# Altium PCB NASCO Alarm Interface.PcbDoc
Units mil, origin at the board's own origin, x right, y up, seen from the top; angles counter-clockwise.
Board outline 3947.04 x 2614.01 mil, 2 copper layers (Top Layer, Bottom Layer); 119 components, 99 nets, 419 pads, 122 vias.
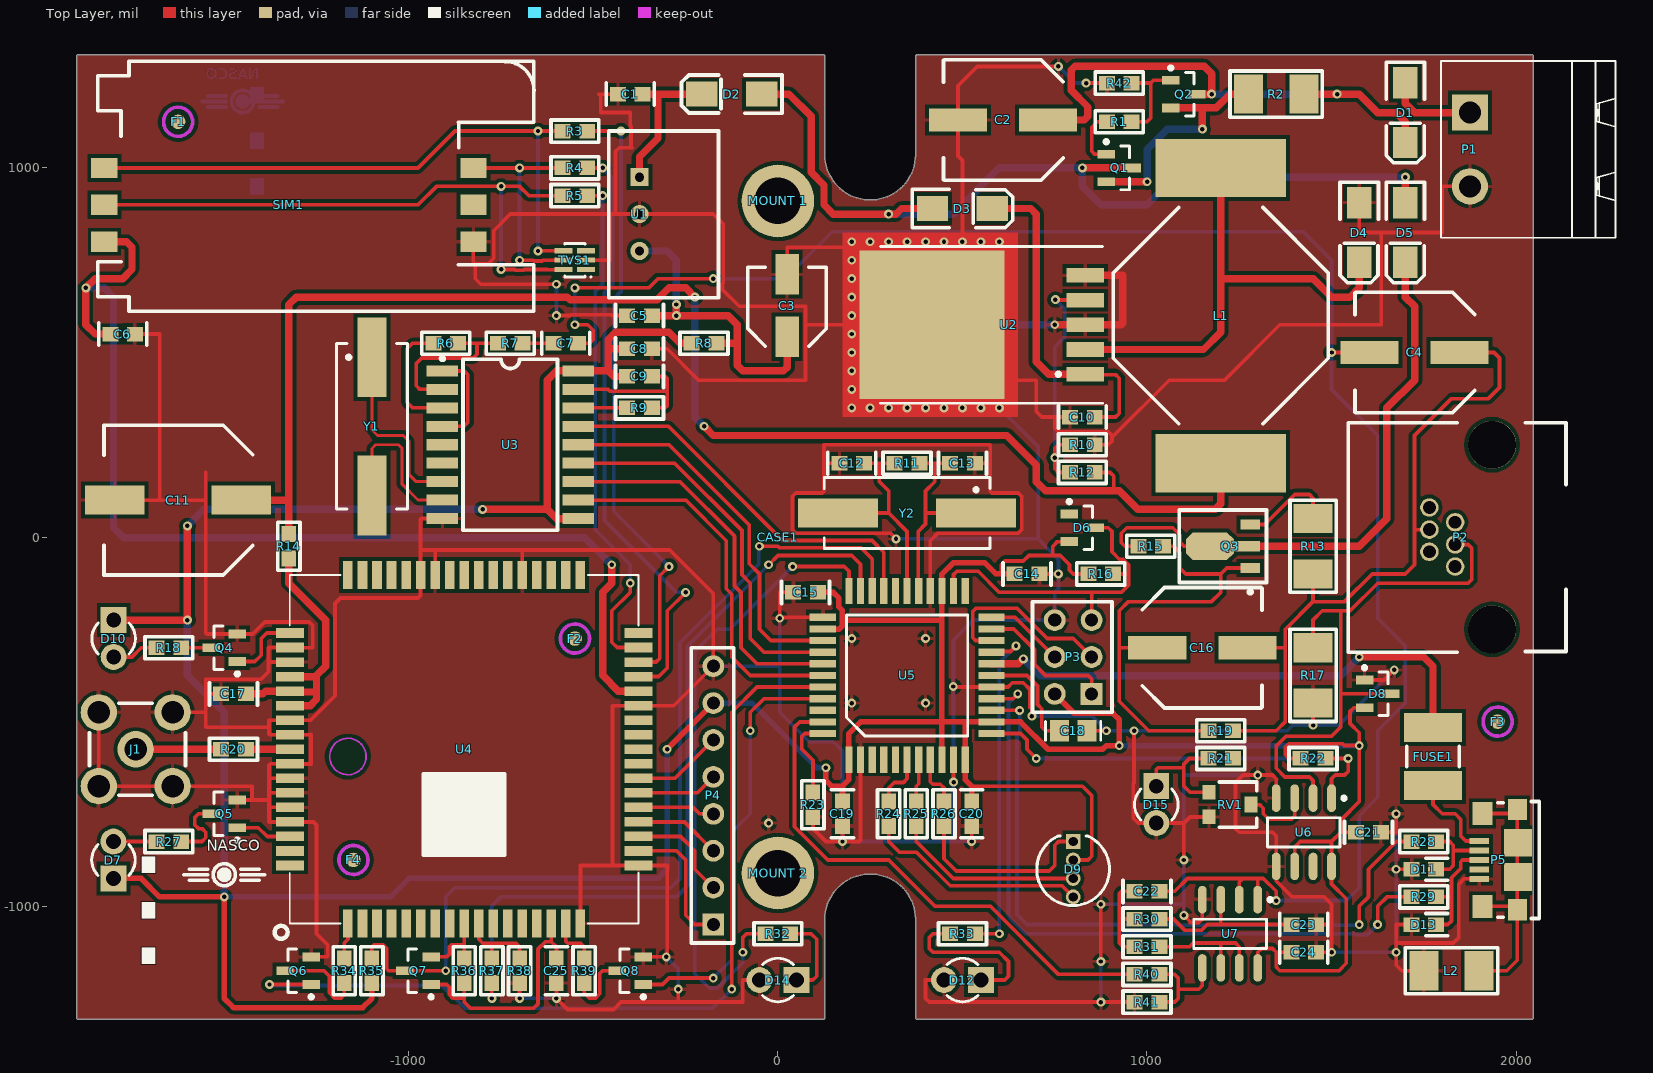
[diagram p0: Top Layer view]
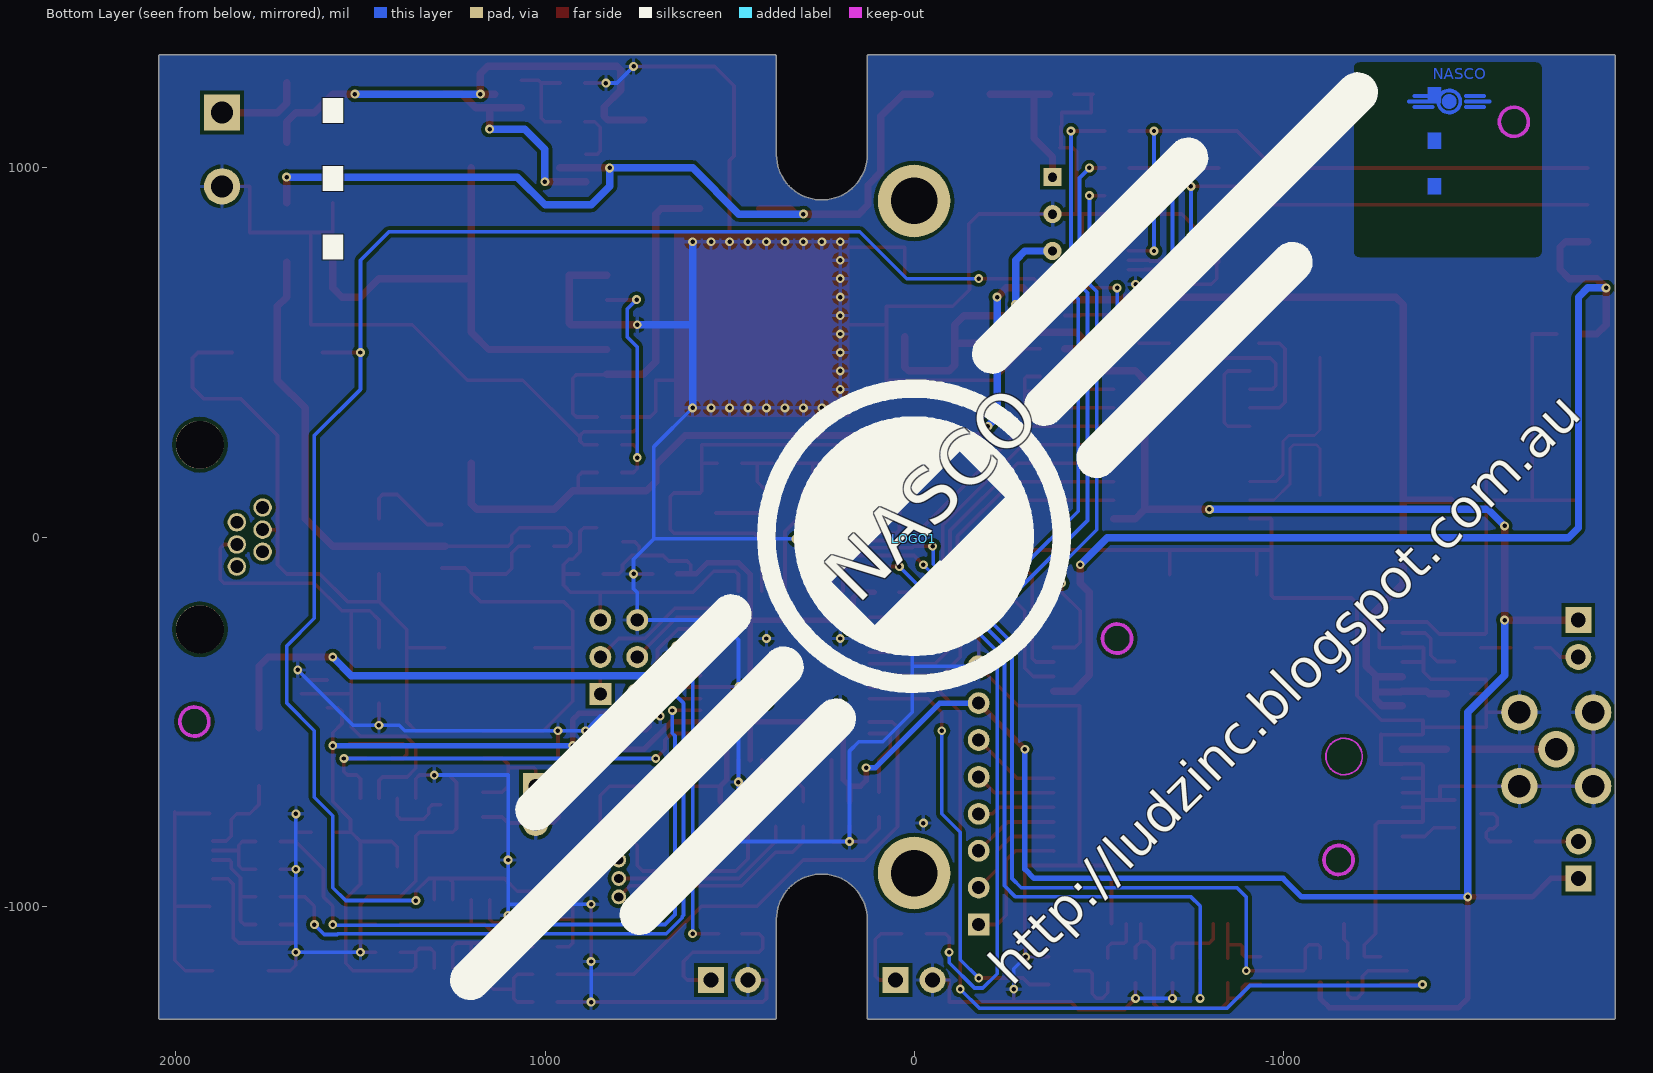
[diagram p1: Bottom Layer view, seen from below]

## Layer stack, top to bottom
Top Layer: signal copper 1.4
Dielectric: dielectric 12.6, FR-4, Dk 4.8
Bottom Layer: signal copper 1.4

## Board outline
-1895.01,-1307 122.12,-1307 ccw(c122.12,-1301.99) 127.13,-1301.99 127.13,-1040 ccw(c122.12,-1040) 126.76,-1038.1 ccw(c122.12,-1036.19) 127.13,-1036.19 cw(c250.07,-1036.19) 373.01,-1036.19 ccw(c378.02,-1036.19) 373.01,-1036.22 373.01,-1301.99 ccw(c378.02,-1301.99) 378.02,-1307 2042,-1307 ccw(c2042,-1301.99) 2047.02,-1301.99 2047.02,1301.99 ccw(c2042,1301.99) 2042,1307 378.02,1307 ccw(c378.02,1301.99) 374.48,1305.53 cw(c378.02,1301.99) 378.02,1307 374.48,1305.53 ccw(c378.02,1301.99) 373.01,1301.99 cw(c378.02,1301.99) 374.48,1305.53 373.01,1301.99 373.01,1036.19 cw(c250.07,1036.19) 127.13,1036.19 127.13,1301.99 ccw(c122.12,1301.99) 122.12,1307 -1895.01,1307 ccw(c-1895.01,1301.99) -1900.02,1301.99 -1900.02,-1301.99 ccw(c-1895.01,-1301.99)

## Design rules (kind name [scope] priority, off if disabled: settings)
Clearance [All] p1: gap=10
PolygonConnect [All] p1: connectstyle=Relief reliefconductorwidth=10 reliefentries=4 polygonreliefangle="90 Angle" airgapwidth=10
RoutingVias [All] p1: holewidth=12 width=24 viastyle="Through Hole" minholewidth=12 minwidth=24 maxholewidth=28 maxwidth=50
SilkToSolderMaskClearance SilkscreenOverComponentPads [IsPad] p1: minsilkscreentomaskgap=10 clearancetoexposedcopper=TRUE
SolderMaskExpansion [All] p1: expansion=4
Width [All] p1: maxlimit=250 minlimit=6 preferedwidth=8
27 further rules are at their usual default settings.

## Classes and differential pairs
component class "U_Mechanical Info": CASE1 F1 F2 F3 F4 "MOUNT 1" "MOUNT 2"
component class "U_Telephone Line Emulator": C4 C7 C8 C9 C16 C21 C22 C23 C24 D8 D15 P2 Q3 R6 R7 R9 R13 R15 R17 R19 R21 R22 R30 R31 R40 R41 RV1 U3 U6 U7 Y1
component class U_SIM900: C6 C17 C25 D7 D10 J1 P4 Q4 Q5 Q6 Q7 Q8 R3 R4 R5 R18 R20 R27 R34 R35 R36 R37 R38 R39 SIM1 TVS1 U4
component class "U_Power Supply": C1 C2 C3 C5 C10 C11 D1 D2 D3 D4 D5 L1 P1 Q1 Q2 R1 R2 R8 R10 R12 R14 R42 U1 U2
component class U_ATMEGA32U4-AU: C12 C13 C14 C15 C18 C19 C20 D6 D9 D11 D12 D13 D14 FUSE1 L2 P3 P5 R11 R16 R23 R24 R25 R26 R28 R29 R32 R33 U5 Y2

## Components (designator, comment, footprint, x,y, rotation, side; value= is the part's Value field where it differs from the comment)
C1 "100nF" "CAP (3D) - 0603" -400,1200 r0 top
C2 "100uF" "CAP ELECTRO SIZE-E" 610,1130 r0 top
C3 "10uF" "CAP ELECTRO SIZE-C" 25,625 r270 top
C4 "100uF" "CAP ELECTRO SIZE-E" 1725,500 r0 top
C5 "100nF" "CAP (3D) - 0603" -375,600 r0 top
C6 "100nF" "CAP (3D) - 0603" -1775,550 r180 top
C7 "100nF" "CAP (3D) - 0603" -575,525 r180 top
C8 "100nF" "CAP (3D) - 0603" -375,510 r180 top
C9 "100nF" "CAP (3D) - 0603" -375,435 r180 top
C10 "100nF" "CAP (3D) - 0603" 825,325 r0 top
C11 "1000uF" "CAP ELECTRO SIZE-G" -1625,100 r0 top
C12 "22pF" "CAP (3D) - 0603" 200,200 r0 top
C13 "22pF" "CAP (3D) - 0603" 500,200 r180 top
C14 "100nF" "CAP (3D) - 0603" 675,-100 r180 top
C15 "100nF" "CAP (3D) - 0603" 75,-150 r0 top
C16 "100uF" "CAP ELECTRO SIZE-E" 1150,-300 r180 top
C17 "100nF" "CAP (3D) - 0603" -1475,-425 r0 top
C18 "1uF" "CAP (3D) - 0805" 800,-525 r0 top
C19 "100nF" "CAP (3D) - 0603" 175,-750 r90 top
C20 "100nF" "CAP (3D) - 0603" 525,-750 r90 top
C21 "100nF" "CAP (3D) - 0603" 1600,-800 r180 top
C22 "10nF" "CAP (3D) - 0603" 1000,-960 r180 top
C23 "10nF" "CAP (3D) - 0603" 1425,-1050 r180 top
C24 "100nF" "CAP (3D) - 0603" 1425,-1125 r180 top
C25 "100nF" "CAP (3D) - 0603" -600,-1175 r90 top
CASE1 "HAMMOND 1593" "HAMMOND 1593 CASE" 0,0 r0 top
D1 "S1M" DO-214AC 1700,1150 r270 top
D2 "S1M" DO-214AC -125,1200 r180 top
D3 "S1M" DO-214AC 500,890 r0 top
D4 "10V 3A" DO-214AC 1575,825 r270 top
D5 "S1M" DO-214AC 1700,825 r270 top
D6 "BAV99" SOT23-3L 825,25 r0 top
D7 "LED (RED)" "LED 3MM" -1800,-875 r270 top
D8 "BAV99" SOT23-3L 1625,-425 r0 top
D9 "RGB 5mm" "LED(3D) 5MM VERTICAL (RGB) - COMMON ANODE" 800,-900 r90 top
D10 "LED (GREEN)" "LED 3MM" -1800,-275 r90 top
D11 "TVS" "TVS (3D) - 0603" 1750,-900 r180 top
D12 "LED (RED)" "LED 3MM" 500,-1200 r0 top
D13 "TVS" "TVS (3D) - 0603" 1750,-1050 r180 top
D14 "LED (GREEN)" "LED 3MM" 0,-1200 r0 top
D15 "LED (RED)" "LED 3MM" 1025,-725 r90 top
F1 "Fiducial" FIDUCIAL -1625,1125 r0 top
F2 "Fiducial" FIDUCIAL -550,-275 r0 top
F3 "Fiducial" FIDUCIAL 1950,-500 r0 top
F4 "Fiducial" FIDUCIAL -1150,-875 r0 top
FUSE1 "500mA" "MINISMD POLYSWITCH" 1775,-595 r90 top
J1 "TE CONNECTIVITY SMA-JR-P2-S" SMA-JR-P2-S -1740,-575 r180 top
L1 "Inductor" SDR2207-101KL 1200,600 r90 top
L2 "BEAD" "RES (3D) - 1210" 1825,-1175 r180 top
LOGO1 "NASCO" NASCO_LOGO 0,-5 r135 bottom
"MOUNT 1" "M3" "MOUNTING - M3" 0,910.43 r90 top
"MOUNT 2" "M3" "MOUNTING - M3" 0,-910.43 r90 top
P1 "Power" "5.08MM HEADER 2 WAY RA- WITH SOCKET" 1875,1150 r270 top
P2 "PHONE" "MOLEXZ RJ11" 1800,0 r270 top
P3 "Header 6" "HDR2X3 (3D)" 800,-325 r90 top
P4 "Header 8" "HDR1X8 (3D)" -175,-1050 r90 top
P5 "MICRO USB" "MICRO USB" 1900,-875 r90 top
Q1 "PMV48XP" SOT23-3L 925,1000 r0 top
Q2 "BC807" SOT23-3L 1100,1200 r0 top
Q3 "BCX56" SOT89 1225,-25 r90 top
Q4 "MMUN2211LT1" SOT23-3L -1500,-300 r180 top
Q5 "MMUN2211LT1" SOT23-3L -1500,-750 r180 top
Q6 "MMUN2211LT1" SOT23-3L -1300,-1175 r180 top
Q7 "BSS138BK,215" SOT23-3L -975,-1175 r180 top
Q8 "MMUN2211LT1" SOT23-3L -400,-1175 r180 top
R1 "10k" "RES (3D) - 0603" 925,1125 r0 top
R2 "1.R3 500mW" "RES (3D) - 1210" 1350,1200 r180 top
R3 "22R" "RES (3D) - 0603" -550,1100 r0 top
R4 "22R" "RES (3D) - 0603" -550,1000 r0 top
R5 "22R" "RES (3D) - 0603" -550,925 r0 top
R6 "100k" "RES (3D) - 0603" -900,525 r0 top
R7 "100k" "RES (3D) - 0603" -725,525 r0 top
R8 "0R" "RES (3D) - 0603" -200,525 r0 top
R9 "300k" "RES (3D) - 0603" -375,350 r180 top
R10 "3k3" "RES (3D) - 0603" 825,250 r0 top
R11 "1MEG" "RES (3D) - 0603" 350,200 r0 top
R12 "10k" "RES (3D) - 0603" 825,175 r180 top
R13 "15R 1/2 WATT" "RES (3D) - 1210" 1450,-25 r90 top
R14 "0R" "RES (3D) - 0603" -1325,-25 r90 top
R15 "10k" "RES (3D) - 0603" 1010,-25 r0 top
R16 "10k" "RES (3D) - 0603" 875,-100 r0 top
R17 "10R 1/2 WATT" "RES (3D) - 1210" 1450,-375 r90 top
R18 "470R" "RES (3D) - 0603" -1650,-300 r0 top
R19 "10k" "RES (3D) - 0603" 1200,-525 r0 top
R20 "0R" "RES (3D) - 0603" -1475,-575 r0 top
R21 "1k" "RES (3D) - 0603" 1200,-600 r180 top
R22 "10k" "RES (3D) - 0603" 1450,-600 r0 top
R23 "10k" "RES (3D) - 0603" 95,-725 r270 top
R24 "1k" "RES (3D) - 0603" 300,-750 r90 top
R25 "22k" "RES (3D) - 0603" 375,-750 r90 top
R26 "1k" "RES (3D) - 0603" 450,-750 r90 top
R27 "470R" "RES (3D) - 0603" -1650,-825 r0 top
R28 "22R" "RES (3D) - 0603" 1750,-825 r0 top
R29 "22R" "RES (3D) - 0603" 1750,-975 r0 top
R30 "11k" "RES (3D) - 0603" 1000,-1035 r180 top
R31 "11k" "RES (3D) - 0603" 1000,-1110 r0 top
R32 "470R" "RES (3D) - 0603" 0,-1075 r180 top
R33 "470R" "RES (3D) - 0603" 500,-1075 r0 top
R34 "1k" "RES (3D) - 0603" -1175,-1175 r270 top
R35 "10k" "RES (3D) - 0603" -1100,-1175 r90 top
R36 "10k" "RES (3D) - 0603" -850,-1175 r90 top
R37 "22k" "RES (3D) - 0603" -775,-1175 r270 top
R38 "33k" "RES (3D) - 0603" -700,-1175 r90 top
R39 "1k" "RES (3D) - 0603" -525,-1175 r270 top
R40 "10k" "RES (3D) - 0603" 1000,-1185 r180 top
R41 "10k" "RES (3D) - 0603" 1000,-1260 r180 top
R42 "10k" "RES (3D) - 0603" 925,1230 r180 top
RV1 "10k" "TRIMPOT - PVZ3A" 1225,-725 r0 top
SIM1 "FCI 7111S2015X02LF" "SIM CARD" -1325,900 r180 top
TVS1 "SMF05C" SOT-363 -550,750 r90 top
U1 "R-78E5.0-0.5" R-78E5.0-0.5 -425,725 r270 top
U2 "LM2576D2T-ADJ" D2-PAK 625,575 r90 top
U3 "MT8870DS" SOIC-18 -725,250 r270 top
U4 "SIM900" SIM900 -850,-575 r0 top
U5 "ATMEGA32U4-AU" TQFP44 350,-375 r90 top
U6 "LM393AN" SO-8 1425,-800 r270 top
U7 "LMV932MA" SO-8 1225,-1075 r270 top
Y1 "3.5795 MHz" HC49/4H_SMX -1100,300 r270 top
Y2 "16MHz" HC49/4H_SMX 350,65 r180 top

## Footprints (in the part's own frame and the unit in brackets; to place one, negate y for a bottom-side part, rotate by r counter-clockwise, add the part's x,y. Pads: shape width x height; smd on the part's side, far side on the other; paste and mask are expansions set on the pad)
"5.08MM HEADER 2 WAY RA- WITH SOCKET" [mm] "PHOENIX CONTACT 1757019 & 1759017"
  rect 2.5x2.5 hole 1.5: 1(0,0)
  round 2.5 hole 1.5: 2(5.08,0)
  silkscreen extent -3.54,-1.98 8.62,10.02, body extent -2.54,-2.01 7.67,19.18, height 15.02
"CAP (3D) - 0603" [mm]
  rect 1.1x1 smd: 1(0.85,0) 2(-0.85,0)
  silkscreen extent -1.65,-0.76 1.65,0.76, body extent -1,-0.39 1,0.39, height 0.79
"CAP (3D) - 0805" [mm]
  rect 1.3x1.5 smd: 1(-0.95,0) 2(0.95,0)
  silkscreen extent -1.9,-0.65 1.9,0.65, body extent -1.25,-0.62 1.25,0.62, height 0.79
"CAP ELECTRO SIZE-C" [mm]
  rect 2.8x1.6 smd: 1(2.1,0) 2(-2.2,0)
  silkscreen extent -2.7,-2.7 2.75,2.7, body extent -2.95,-2.65 2.95,2.65, height 5.41
"CAP ELECTRO SIZE-E" [mm]
  rect 4x1.6 smd: 1(3.1,0) 2(-3.1,0)
  silkscreen extent -4.1,-4.15 4.14,4.15, body extent -4.5,-4.15 4.5,4.15, height 6.2
"CAP ELECTRO SIZE-G" [mm]
  rect 4.1x2 smd: 1(4.35,0) 2(-4.35,0)
  silkscreen extent -5.1,-5.15 5.14,5.15, body extent -5.8,-5.15 5.8,5.15, height 10.2
D2-PAK [mm] "D2-PAK; 5 Leads; Body 14.7 (inc. leads) x 10.2 mm (LxW max)"
  rect 1x2.6 smd: 1(-3.4,-5.275) 2(-1.7,-5.275) 3(0,-5.275) 4(1.7,-5.275) 5(3.4,-5.275)
  rect 10.2x10 smd: 6(0,5.275)
  Top Layer region: -6.349,-0.635 6.351,-0.635 6.351,11.43 -6.349,11.43
  silkscreen extent -5.4,-6.48 5.4,8.82, body extent -5,-5.99 5,9.68, height 4.81
DO-214AC [mil]
  rect 85x67 smd: 1(-81,0) 2(81,0)
  silkscreen extent -136,-52 136,52, body extent -79,-39 79,39, height 61
FIDUCIAL [mm]
  round 1 smd mask+1: 0(0,0)
  Keep-Out Layer circle w0.254: c0,0 r1
"HAMMOND 1593 CASE" [mil] "HAMMOND 1593 CASE"
  body extent -2181,-1475 2199,1478, height 690
HC49/4H_SMX [mm] "Quartz Crystal, SM; Body 13.4 (inc. leads) x 4.9 mm (LxW max)"
  rect 5.5x2 smd: 1(-4.75,0) 2(4.75,0)
  silkscreen extent -5.7,-2.45 5.7,2.45, body extent -6.36,-2.35 6.34,2.35, height 4.2
"HDR1X8 (3D)" [mm] "Connector; Header; 8 Position"
  rect 1.5x1.5 hole 0.9: 1(0,0)
  round 1.5 hole 0.9: 2(2.54,0) 3(5.08,0) 4(7.62,0) 5(10.16,0) 6(12.7,0) 7(15.24,0) 8(17.78,0)
  silkscreen extent -1.27,-1.4 19.05,1.52, body extent -1.27,-1.4 19.05,1.52, height 8.53
"HDR2X3 (3D)" [mm]
  rect 1.5x1.5 hole 0.9: 1(-2.54,-1.27)
  round 1.5 hole 0.9: 2(-2.54,1.27) 3(0,-1.27) 4(0,1.27) 5(2.54,-1.27) 6(2.54,1.27)
  silkscreen extent -3.81,-2.67 3.81,2.79, body extent -3.81,-2.67 3.81,2.79, height 8.53
"LED 3MM" [mil]
  rect 70x70 hole 40: 1(50.06,-0.28)
  round 70 hole 40: 2(-49.94,-0.28)
  silkscreen extent -42,-59 42,59
"LED(3D) 5MM VERTICAL (RGB) - COMMON ANODE" [mil]
  rect 40x40 hole 25: 1(75,0)
  round 40 hole 25: 2(25,0) 3(-25,0) 4(-75,0)
  silkscreen extent -98,-98 90,99, body extent -99,-98 98,98, height 413
"MICRO USB" [mm] "TE CONNECTIVITY 1981568-1"
  rect 1.45x1.3 smd: 0(-3.425,-2.625) 0(3.475,-2.625)
  rect 1.6x1.4 smd: 0(-3.2,-0.225) 0(3.2,-0.225)
  rect 1.9x1.9 smd: 0(-1.175,-2.675) 0(1.175,-2.675)
  rect 0.4x1.35 smd: 1(1.3,0) 2(0.65,0) 3(0,0) 4(-0.65,0) 5(-1.3,0)
  silkscreen extent -4.03,-4.13 4.03,-1.27, body extent -3.97,-5.3 4.03,0.3, height 2.83
"MINISMD POLYSWITCH" [mm] "RAYCHEM - MINISMDC050F-2"
  rect 2x4 smd: 1(-2,0) 2(2,0)
  silkscreen extent -0.7,-1.8 0.7,1.8, body extent -2.41,-1.61 2.41,1.61, height 1.32
"MOLEXZ RJ11" [mil] "438600020 (MOLEX RJ11)"
  round 130 hole 130 unplated: 0(-250,135) 0(250,135)
  round 50 hole 35: 1(-80,-35) 2(-40,35) 3(-20,-35) 4(20,35) 5(40,-35) 6(80,35)
  silkscreen extent -310,-255 312,335, body extent -310,-255 312,335, height 507
"MOUNTING - M3" [mm] "M3 MOUNTING HOLE"
  round 5 hole 3.2: 0(0,0)
NASCO_LOGO [mil]
  silkscreen extent -1746,-395 1755,405
R-78E5.0-0.5 [mm] "RECOM R-78E5.0-0.5 DC-DC CONVERTER"
  rect 1.25x1.25 hole 0.65: 1(-6.35,1.27)
  round 1.25 hole 0.65: 2(-3.81,1.27) 3(-1.27,1.27)
  silkscreen extent -9.52,-0.84 1.94,6.71, body extent -9.56,-0.84 1.94,6.71, height 10.22
"RES (3D) - 0603" [mm]
  rect 1.1x1 smd: 1(0.85,0) 2(-0.85,0)
  silkscreen extent -1.65,-0.76 1.65,0.76, body extent -1,-0.39 1,0.39, height 0.79
"RES (3D) - 1210" [mm] "Chip Diode; Body 3.2 x 2.5 mm (LxW typ)"
  rect 2x2.7 smd: 1(-1.905,0) 2(1.905,0)
  silkscreen extent -3.18,-1.59 3.18,1.59, body extent -2,-1.24 2,1.24, height 1.7
SDR2207-101KL [mm]
  rect 4x9 smd: 1(10.16,0) 2(-10.16,0)
  silkscreen extent -7.44,-7.4 7.44,7.4, body extent -11,-7.5 11,7.5, height 7.02
SIM900 [mil] "SIM900 GPRS MODULE"
  rect 26x76 smd: 1(-314.96,-472.44) 2(-275.59,-472.44) 3(-236.22,-472.44) 4(-196.85,-472.44) 5(-157.48,-472.44) 6(-118.11,-472.44) 7(-78.74,-472.44) 8(-39.36,-472.44) 9(0.01,-472.44) 10(39.38,-472.44) 11(78.75,-472.44) 12(118.12,-472.44) 13(157.49,-472.44) 14(196.86,-472.44) 15(236.23,-472.44) 16(275.6,-472.44) 17(314.97,-472.44) 35(314.97,472.44) 36(275.6,472.44) 37(236.23,472.44) 38(196.86,472.44) 39(157.49,472.44) 40(118.12,472.44) 41(78.75,472.44) 42(39.38,472.44) 43(0.01,472.44) 44(-39.36,472.44) 45(-78.74,472.44) 46(-118.11,472.44) 47(-157.48,472.44) 48(-196.85,472.44) 49(-236.22,472.44) 50(-275.59,472.44) 51(-314.96,472.44)
  rect 76x26 smd: 18(472.45,-314.96) 19(472.45,-275.59) 20(472.45,-236.22) 21(472.45,-196.85) 22(472.45,-157.48) 23(472.45,-118.11) 24(472.45,-78.74) 25(472.45,-39.37) 26(472.45,0) 27(472.45,39.37) 28(472.45,78.74) 29(472.45,118.11) 30(472.45,157.48) 31(472.45,196.85) 32(472.45,236.22) 33(472.45,275.59) 34(472.45,314.96) 52(-472.44,314.96) 53(-472.44,275.59) 54(-472.44,236.22) 55(-472.44,196.85) 56(-472.44,157.48) 57(-472.44,118.11) 58(-472.44,78.74) 59(-472.44,39.37) 60(-472.44,0) 61(-472.44,-39.37) 62(-472.44,-78.74) 63(-472.44,-118.11) 64(-472.44,-157.48) 65(-472.44,-196.85) 66(-472.44,-236.22) 67(-472.44,-275.59) 68(-472.44,-314.96)
  Keep-Out Layer circle w5: c-314.96,-19.69 r49.33
  silkscreen extent -514,-514 472,472, body extent -472,-472 472,472, height 119
"SIM CARD" [mm] "FCI 7111S2015X02LF"
  rect 1.8x1.4 smd: C1(12.7,2.54) C2(12.7,0) C3(12.7,-2.54) C5(-12.7,2.54) C6(-12.7,0) C7(-12.7,-2.54)
  silkscreen extent -16.87,-9.88 13.15,7.32, body extent -16.85,-9.88 13.15,7.32, height 2.27
SMA-JR-P2-S [mm]
  round 2.5 hole 1.55: 1(0,0) 2(-2.54,2.54) 2(-2.54,-2.54) 2(2.54,2.54) 2(2.54,-2.54)
  silkscreen extent -3.43,-3.17 3.17,3.17, body extent -3.33,-3.17 12.07,3.18, height 9.59
SO-8 [mm] "SOIC, 8-Leads, Body 4.9x3.9mm, Pitch 1.27mm, IPC High Density"
  oval 1.9x0.6 smd: 1(-2.35,1.905) 2(-2.35,0.635) 3(-2.35,-0.635) 4(-2.35,-1.905) 5(2.35,-1.905) 6(2.35,-0.635) 7(2.35,0.635) 8(2.35,1.905)
  silkscreen extent -2.47,-2.5 1,2.88, body extent -2.9,-2.45 3.1,2.45, height 1.75
SOIC-18 [mil]
  rect 30x85 smd: 1(-200,-184.05) 2(-150,-184.05) 3(-100,-184.05) 4(-50,-184.05) 5(0,-184.05) 6(50,-184.05) 7(100,-184.05) 8(150,-184.05) 9(200,-184.05) 10(200,184.06) 11(150,184.06) 12(100,184.06) 13(50,184.06) 14(0,184.06) 15(-50,184.06) 16(-100,184.06) 17(-150,184.06) 18(-200,184.06)
  silkscreen extent -238,-189 231,128, body extent -236,-148 236,148, height 100
SOT23-3L [mm] "SOT23, 3-Leads, Body 2.9x1.3mm, Pitch 0.95mm, Lead Span 2.5mm, IPC High Density"
  rect 1.2x0.6 smd: 1(-0.9,0.95) 2(-0.9,-0.95) 3(0.9,0)
  silkscreen extent -1.02,-1.5 0.7,1.92, body extent -1.25,-1.5 1.25,1.5, height 1.12
SOT89 [mm]
  rect 0.7x1.35 smd: 1(1.5,-1.388) 3(-1.5,-1.388)
  rect 0.7x1.8 smd: 2(0,-1.163)
  oct 1.9x3.3 smd: 2(0,1.388)
  silkscreen extent -3.27,-2.51 2.5,3.49, body extent -2.3,-1.91 2.3,2.35, height 1.62
SOT-363 [mm] "SOT-363/SC-88; 6 Leads; Body 2.2 x 2.2 mm, inc. leads (LxW max)"
  rect 0.35x1.25 smd: 1(-0.65,-0.775) 2(0,-0.775) 3(0.65,-0.775) 4(0.65,0.775) 5(0,0.775) 6(-0.65,0.775)
  silkscreen extent -1.2,-1.15 1.15,0.7, body extent -1.05,-1.15 1.05,1.15, height 1
TQFP44 [mm]
  rect 0.5x1.8 smd: 1(-4,-5.8) 2(-3.2,-5.8) 3(-2.4,-5.8) 4(-1.6,-5.8) 5(-0.8,-5.8) 6(0,-5.8) 7(0.8,-5.8) 8(1.6,-5.8) 9(2.4,-5.8) 10(3.2,-5.8) 11(4,-5.8) 23(4,5.8) 24(3.2,5.8) 25(2.4,5.8) 26(1.6,5.8) 27(0.8,5.8) 28(0,5.8) 29(-0.8,5.8) 30(-1.6,5.8) 31(-2.4,5.8) 32(-3.2,5.8) 33(-4,5.8)
  rect 1.8x0.5 smd: 12(5.8,-4) 13(5.8,-3.2) 14(5.8,-2.4) 15(5.8,-1.6) 16(5.8,-0.8) 17(5.8,0) 18(5.8,0.8) 19(5.8,1.6) 20(5.8,2.4) 21(5.8,3.2) 22(5.8,4) 34(-5.8,4) 35(-5.8,3.2) 36(-5.8,2.4) 37(-5.8,1.6) 38(-5.8,0.8) 39(-5.8,0) 40(-5.8,-0.8) 41(-5.8,-1.6) 42(-5.8,-2.4) 43(-5.8,-3.2) 44(-5.8,-4)
  silkscreen extent -4.18,-4.18 4.17,4.18, body extent -6.02,-5.98 5.98,6.02, height 1.02
"TRIMPOT - PVZ3A" [mm] "SMD TRIMPOT PVZ3A SERIES"
  rect 0.9x1 smd: 1(-1.45,0.85) 3(-1.45,-0.85)
  rect 0.9x1.1 smd: 2(1.45,0)
  silkscreen extent -0.75,-1.55 1.84,1.55, body extent -1.85,-1.55 1.84,1.55, height 1.97
"TVS (3D) - 0603" [mm]
  rect 1.1x1 smd: 1(0.85,0) 2(-0.85,0)
  silkscreen extent -1.65,-0.76 -0.13,0.76, body extent -0.8,-0.4 0.8,0.4, height 0.72

## Part data
C1 C5 C10 C17: library part CAP, "CAPACITOR SMD 0603"
C2 C4 C16: library part "100uF 25V ALU E", "100uF 25V"
C3: library part "Cap Pol", "CAPACITOR POLARISED TAG B CASE"
C6 C14 C15 C19 C20 C22 C23: library part "CAP SMD 0603 100nF", "CAPACITOR SMD 0603"
C7 C8 C9 C21 C24: library part CAP, "CAPACITOR SMD 0402"
C11: library part "1000uF 10V ALU G_1", "1000uF 10V"
C12 C13 C25: library part "CAP SMD 0603 1nF", "CAPACITOR SMD 0603"
C18: library part "CAP SMD 0805 1uF", "CAPACITOR SMD 0805"
CASE1: library part "CASE HAMMOND 1593"
D1 D2 D3 D5: library part DIODE, "DIODE, POWER"
D4: library part CD214A-B340LF, "CD214A-B340LF 10V 3A SCHOTTKY"
D6 D8: "DUAL DIODE, BAV99"
D7 D12 D15: library part "LED 3mm RED", "3mm RED LED"
D9: library part RGB_5mm
D10 D14: library part "LED 3mm GREEN", "3mm GREEN LED"
D11 D13: library part "TVS DIODE", "Transient Voltage Suppression (TVS) Diode"
FUSE1: library part "POLYSWITCH 500mA 1812", "POLYSWITCH 500mA 1812"
J1: library part MCB-ST-00T, "SMA CONNECTOR TE CONNECTIVITY"
L2: library part "INDUCTOR SMD 1210 100uH", "INDUCTOR SMD 1210"
LOGO1: library part NASCO_LOGO, "Quad 2-Input OR Gate"
"MOUNT 1" "MOUNT 2": library part "MOUNTING - M3"
P1: library part "Header 2H", "Header, 2-Pin, Right Angle"
P2: library part "Header 6", "Header, 6-Pin"
P3: "Header, 6-Pin"
P4: "Header, 8-Pin"
Q1: library part "PMV48XP SOT23", "P-Channel MOSFET"
Q2: library part PNP, "PNP Bipolar Transistor"
Q3: "NPN Bipolar Transistor"
Q4 Q5 Q6 Q8: library part "MMUN221LT1 NPN DIGITAL TRANSISTOR"
Q7: library part "BSS138BK,215 SOT23", "N-Channel MOSFET"
R1 R2 R12 R15 R16 R19 R23 R35 R36 R42: library part "RES SMD 0603 10k", "RESISTOR SMD 0603 10k"
R3 R4 R5 R8 R11 R14 R28 R29: library part "RES SMD 0603 0R", "RESISTOR SMD 0603 0R"
R6 R7 R9 R13 R17 R22: library part "RES SMD 0603 100R", "RESISTOR SMD 0603"
R10: library part "RES SMD 0603 3k3", "RESISTOR SMD 0603 3k3"
R18 R27 R32 R33: library part "RES SMD 0603 590R", "RESISTOR SMD 0603 590R"
R20 R21 R30 R31 R34 R37 R38 R39 R40 R41: library part "RES SMD 0603 1k", "RESISTOR SMD 0603 1k"
R24 R25 R26: library part "RES SMD 0603 10k", "RESISTOR SMD 0603"
RV1: library part "VAR (POT) SMD", "Variable Resistor"
SIM1: "FCI 7111S2015X02LF SIM CARD HOLDER"
U1: "3-Terminal Positive Fixed Voltage Regulator"
U2: "Easy Switcher 3.0A Step-Down Voltage Regulator"
U3: library part MT8870, "MT8870 DTMF DECODER"
U5: library part ATmega32U4
U6: "Dual Comparator"
U7: library part LMV932MA/NOPB, "Low Power Dual Operational Amplifier, 8-pin Narrow SOIC"
Y1 Y2: library part XTAL, "Crystal Oscillator"

## Via types
v1: diameter 24, hole 12, Top Layer to Bottom Layer, 120 vias
v2: diameter 24, hole 12, Top Layer to Bottom Layer, tented both sides, 2 vias
